# Altium PCB 10515.0462_全联供主板_V1.0.PcbDoc (part 3 of 5) (continued)
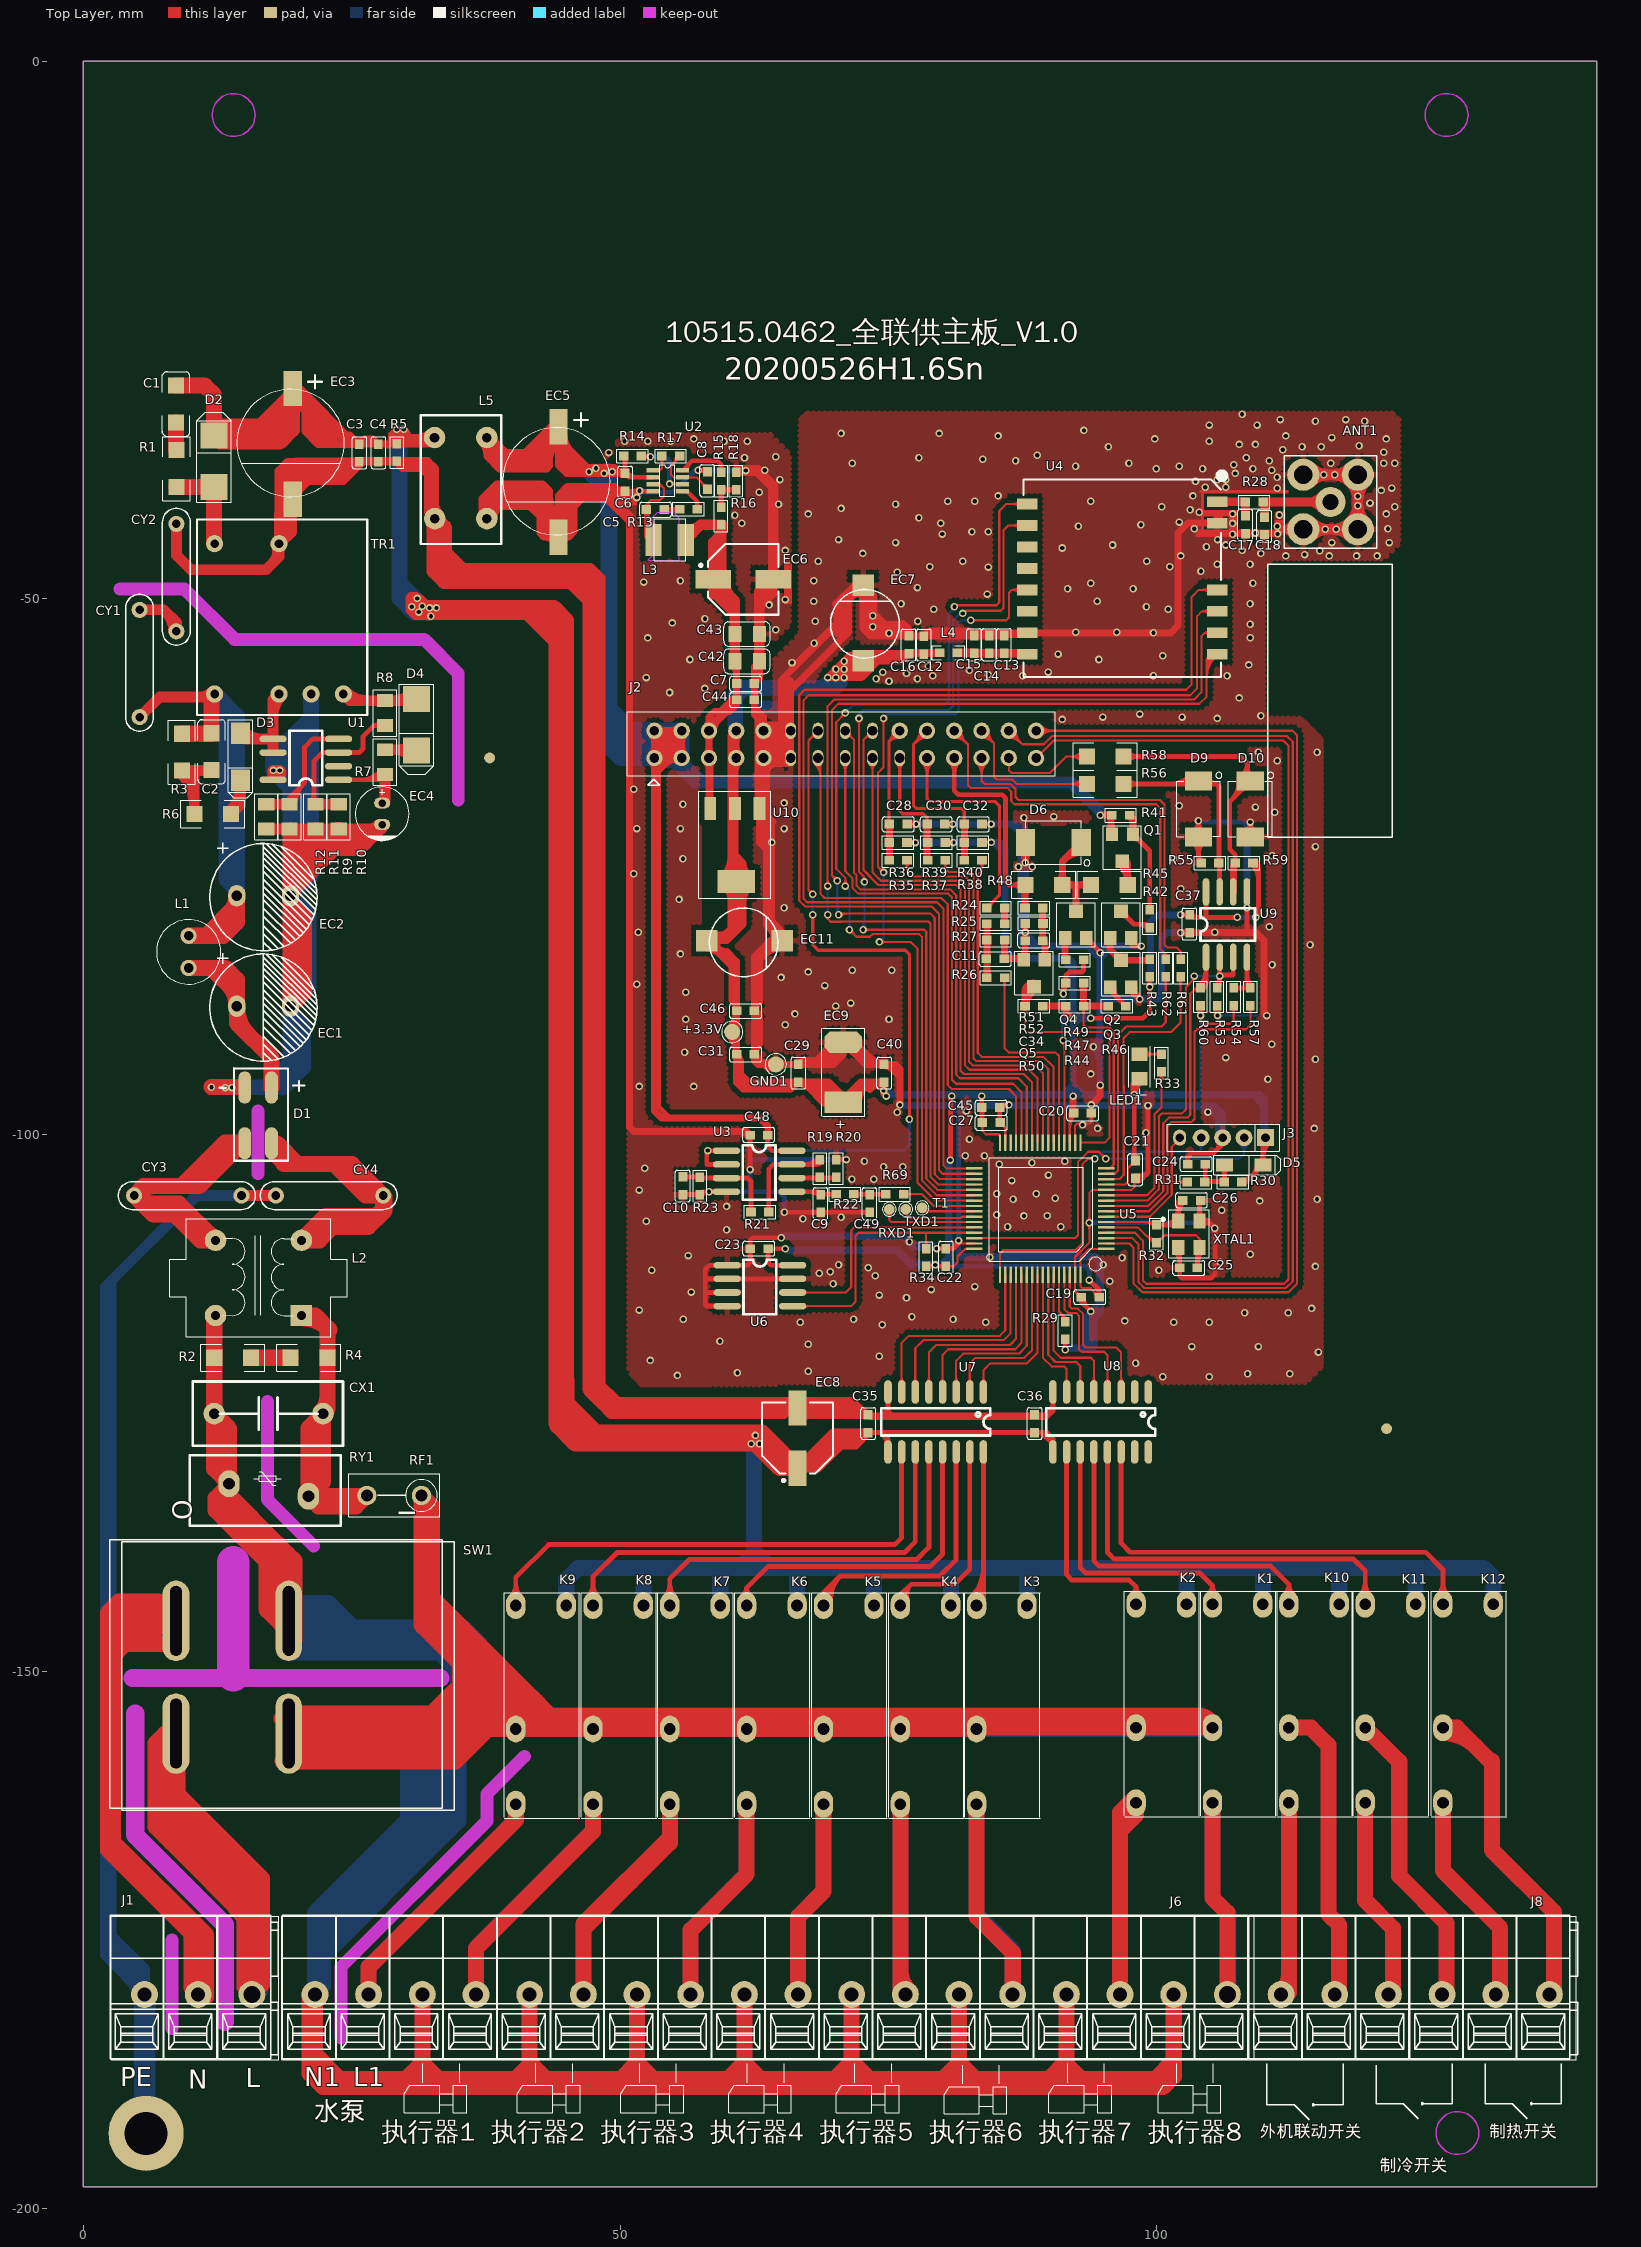
[diagram p0: Top Layer view]
## Nets (pads, with @x,y where several pads share a name; then routed paths per layer and width w, separated by ;. In a path a pad name is that pad's centre, name@x,y a point inside that pad or via, vN(x,y) a via of type N, cw(c..) or ccw(c..) an arc to the next point about the centre after c; other vN are vias at no path point) (continued)
  Top Layer w1: R18.2@60.964,-38.121 v1(61.722,-38.121) 62.782,-38.121 64.279,-39.618 EC6.2@64.279,-48.253 62.982,-49.55 62.982,-51.943 ; C42.1@62.982,-55.89 C43.1@62.982,-53.35 62.982,-51.943 ; 62.982,-50.298 cw(c65.523,-50.298) EC6.2@63.726,-48.501 ; 62.982,-49.642 cw(c64.194,-49.642) EC6.2@63.639,-48.564 ; 64.279,-49.386 62.982,-50.683 62.982,-51.943 ; ANT1.2@113.654,-43.595 ANT1.1@118.734,-43.595 ANT1.3@118.734,-38.515 ANT1.4@113.654,-38.515 ; ANT1.2@114.361,-44.302 cw(c116.068,-46.009) 116.068,-43.595 cw(c116.068,-41.181) ANT1.2@114.361,-42.888 ; ANT1.4@114.361,-39.222 cw(c116.068,-40.929) 116.068,-38.515 cw(c116.068,-36.101) ANT1.4@114.361,-37.808 ; ANT1.1@118.026,-44.302 ccw(c116.319,-46.009) 116.319,-43.595 ccw(c116.319,-41.181) 118.026,-42.888 ccw(c116.319,-41.181) 118.734,-41.181 ccw(c121.148,-41.181) ANT1.1@119.441,-42.888 ; ANT1.3@118.026,-37.808 cw(c116.319,-36.101) 116.319,-38.515 cw(c116.319,-40.929) 118.026,-39.222 cw(c116.319,-40.929) 118.734,-40.929 cw(c121.148,-40.929) ANT1.3@119.441,-39.222
  Bottom Layer w0.2: v1(105.664,-88.9) 107.95,-88.9 v1(110.236,-88.9) ; v1@105.841,-89.077 cw(c106.268,-89.504) 106.268,-88.9 cw(c106.268,-88.296) v1@105.841,-88.723 ; v1@110.059,-89.077 ccw(c109.632,-89.504) 109.632,-88.9 ccw(c109.632,-88.296) v1@110.059,-88.723
  Bottom Layer w0.45: v1(51.816,-40.005) 51.956,-40.145 54.931,-40.145 56.976,-38.1 v1(57.277,-38.1) ; v1@51.904,-39.917 ccw(c52.456,-39.365) 52.456,-40.145 ; 56.55,-38.526 cw(c57.277,-39.253) v1@57.277,-38.225 ; v1@57.315,-38.121 v1(61.722,-38.121) ; v1@57.365,-38.012 ccw(c57.63,-37.747) 57.63,-38.121 ; v1(58.293,-105.306) 64.793,-105.306 65.315,-105.828 v1(65.315,-107.225) ; 62.111,-105.306 v1(62.111,-103.243) 62.111,-102.481 62.282,-102.31 v1(71.068,-102.31) ; v1@65.151,-109.347 76.454,-109.347 77.343,-110.236 79.149,-110.236 v1(79.516,-110.603) 77.329,-110.603 76.327,-109.601 v1(65.024,-109.601) 65.278,-109.347 ; 78.328,-110.236 cw(c78.328,-111.791) v1@79.428,-110.691 ; 80.645,-97.268 80.771,-97.268 81.547,-98.044 ; 81.547,-97.268 81.547,-98.044 ; 82.296,-111.519 82.035,-111.258 ; 82.296,-97.395 81.647,-98.044 81.547,-98.044 ; 83.782,-111.258 cw(c83.782,-112.062) v1@84.35,-111.494 ; 83.863,-111.519 ccw(c83.863,-110.829) v1@84.35,-111.317 ; v1@84.527,-111.494 cw(c85.095,-112.062) 85.095,-111.258 ; v1@84.527,-111.317 ccw(c85.015,-110.829) 85.015,-111.519 ; 87.062,-111.519 81.801,-111.519 81.547,-111.265 81.547,-110.49 ; 87.075,-111.506 94.107,-111.506 94.623,-112.022 94.623,-116.197 ; v1@91.562,-120.115 cw(c92.416,-120.969) 92.416,-119.761 ; 93.472,-117.681 cw(c95.075,-117.681) v1@93.941,-116.547 ; 93.472,-116.998 cw(c93.887,-116.998) v1@93.861,-116.584 ; v1(93.726,-108.204) 104.902,-108.204 v1(105.41,-108.712) ; v1@93.731,-116.76 ccw(c93.874,-116.407) 94.143,-116.677 ; v1@93.9,-116.343 ccw(c94.151,-115.724) 94.623,-116.197 ; 94.234,-117.221 94.869,-116.586 94.869,-111.76 94.367,-111.258 82.035,-111.258 ; 94.501,-111.9 94.501,-115.811 v1(93.853,-116.459) ; v1@103.974,-70.651 ccw(c104.494,-70.131) 104.494,-70.866 ; v1@104.013,-70.866 v1(108.712,-70.866) ; 81.547,-110.49 81.547,-110.77 82.035,-111.258 ; 81.547,-110.49 81.547,-98.044 ; 93.334,-120.026 93.969,-120.026 94.234,-119.761 94.234,-116.967 94.623,-116.578 94.623,-116.197 ; 93.334,-120.026 93.853,-119.507 v1(93.853,-116.459) ; 93.334,-120.026 v1(91.474,-120.026) 91.739,-119.761 93.091,-119.761 93.472,-119.38 93.472,-116.84 v1(93.853,-116.459) ; v1(93.853,-116.459) 94.361,-116.459 94.623,-116.197
  Bottom Layer w0.65: J2.10@63.362,-62.368 63.362,-60.59 63.373,-60.579 ; v1(76.073,-97.223) 76.118,-97.268 81.547,-97.268 104.648,-97.268 ; v1(77.581,-71.054) v1(81.01,-71.054) v1(84.566,-71.054) 86.487,-71.054 ; 87.376,-82.121 cw(c88.719,-82.121) v1@87.769,-81.171 ; 87.376,-80.185 ccw(c88.719,-80.185) v1@87.769,-81.135 ; 87.376,-75.666 cw(c88.761,-75.666) v1@87.782,-74.687 ; 87.376,-73.672 ccw(c88.761,-73.672) v1@87.782,-74.651 ; v1(87.752,-81.153) 87.752,-81.275 88.9,-82.423 ; 93.168,-82.423 cw(c93.168,-84.604) v1@94.71,-83.062 ; 93.585,-82.423 94.728,-83.566 ; 93.846,-82.684 ccw(c94.66,-81.871) v1@94.727,-83.019 ; v1@94.089,-91.813 cw(c92.547,-93.355) 94.728,-93.355 ; v1@94.089,-91.777 ccw(c92.547,-90.235) 94.728,-90.235 ; v1(94.728,-95.377) 94.728,-87.376 ; 94.728,-88.392 94.728,-88.279 95.631,-87.376 ; 94.728,-86.487 95.617,-87.376 95.631,-87.376 ; v1@94.728,-83.019 ccw(c94.728,-81.698) 95.662,-82.632 ; 94.728,-82.564 v1(94.728,-83.044) 94.728,-83.566 ; v1@94.746,-83.062 cw(c96.288,-84.604) 96.288,-82.423 ; 95.871,-82.423 94.728,-83.566 ; v1(98.552,-82.423) 88.26,-82.423 ; v1(102.235,-81.17) 100.948,-81.17 100.457,-81.661 100.457,-87.122 100.203,-87.376 v1(98.425,-87.376) 95.631,-87.376 ; 103.211,-97.268 cw(c103.211,-99.455) v1@104.757,-97.909 ; v1@104.775,-97.916 cw(c104.775,-99.666) 106.012,-98.429 ; J3.3@105.773,-99.908 105.773,-98.189 ; 105.773,-98.279 ccw(c108.128,-98.279) 106.463,-99.944 cw(c107.252,-99.155) 106.136,-99.155 cw(c105.02,-99.155) J3.3@105.809,-99.944 ; J3.3@106.136,-100.271 106.136,-98.008 105.396,-97.268 104.648,-97.268 ; 106.136,-98.552 105.773,-98.189 ; v1(108.4,-78.867) 108.4,-75.819 108.4,-71.178 v1(108.712,-70.866) ; 108.4,-71.679 cw(c109.525,-71.679) v1@108.73,-70.884 ; 86.487,-71.054 87.376,-71.943 87.376,-82.169 87.63,-82.423 88.26,-82.423 ; 86.487,-71.054 87.31,-71.054 87.764,-71.508 v1(87.764,-74.669) 87.764,-81.927 88.26,-82.423 ; 94.728,-87.376 94.728,-83.566 ; 94.728,-87.376 95.631,-87.376 ; 104.648,-97.268 104.852,-97.268 105.773,-98.189
  other v1: 100.564,-122.555 104.902,-122.555 55.352,-122.428 108.458,-122.275 112.395,-122.275 60.94,-122.174 67.544,-122.047 98.024,-121.285 52.812,-121.031 74.148,-120.65 115.062,-120.243 103.251,-119.735 109.474,-119.735 67.544,-119.507 59.309,-119.227 74.422,-117.703 66.802,-117.475 84.074,-117.475 101.58,-117.475 104.902,-117.475 97.008,-117.348 55.88,-117.195 71.755,-117.195 81.026,-117.195 77.196,-116.967 108.184,-116.586 112.248,-116.586 51.796,-116.332 114.427,-116.179 76.688,-115.189 74.148,-114.935 56.642,-114.655 78.994,-114.427 83.058,-114.147 69.85,-113.893 95.631,-113.639 73.787,-113.131 68.56,-112.903 69.576,-112.776 52.959,-112.623 100.203,-112.623 73.132,-112.395 114.788,-112.268 70.358,-112.115 94.996,-112.115 105.918,-111.887 96.772,-111.448 84.439,-111.405 56.368,-111.252 108.712,-111.125 76.962,-109.982 81.534,-109.855 59.924,-108.839 86.106,-108.559 91.059,-108.559 52.451,-108.051 67.036,-107.823 70.592,-107.696 87.63,-107.569 89.789,-107.543 85.09,-107.442 106.045,-107.035 59.924,-106.68 109.601,-106.172 86.614,-106.019 114.935,-106.019 90.551,-105.918 85.09,-105.511 88.773,-105.511 51.796,-105.156 86.487,-104.267 71.608,-104.14 73.64,-104.14 89.916,-103.759 52.304,-103.124 74.549,-102.971 76.327,-102.971 85.324,-102.743 88.372,-102.616 72.771,-102.463 91.44,-102.463 82.169,-101.955 83.947,-101.955 82.55,-100.431 98.999,-99.822 94.488,-99.415 114.681,-99.415 93.091,-99.089 75.819,-97.917 104.775,-97.891 82.276,-97.79 51.796,-95.504 56.876,-95.504 110.363,-94.843 93.853,-94.335 114.788,-92.964 106.426,-92.811 56.007,-92.303 94.107,-91.795 110.724,-91.567 65.405,-89.763 56.134,-89.255 75.057,-89.255 66.294,-88.747 70.084,-88.011 71.501,-87.731 56.134,-86.715 69.068,-86.106 51.562,-85.979 65.004,-85.344 67.544,-84.836 71.628,-84.683 75.311,-84.683 110.744,-84.175 55.626,-83.159 114.28,-82.296 51.689,-81.127 105.41,-81.127 110.49,-80.619 65.278,-78.867 55.499,-78.079 102.235,-77.063 51.288,-75.692 87.122,-75.031 88.392,-75.031 55.86,-74.295 101.58,-74.295 110.744,-74.015 114.788,-73.152 64.135,-72.771 51.562,-71.475 55.626,-71.475 65.278,-71.475 87.63,-70.459 90.404,-70.358 110.998,-69.951 109.2,-69.469 102.088,-69.342 55.86,-69.215 65.278,-69.088 51.288,-67.818 111.232,-65.151 109.474,-64.363 114.935,-64.363 91.186,-61.315 105.644,-61.214 94.976,-61.087 102.362,-61.087 109.708,-60.96 98.425,-60.809 107.676,-59.309 54.61,-58.801 57.892,-58.42 75.057,-57.743 73.848,-57.528 77.704,-57.531 52.451,-57.404 79.121,-57.251 87.503,-57.251 99.695,-57.251 106.553,-57.251 84.308,-57.15 76.688,-57.023 74.467,-56.909 89.896,-56.896 82.55,-56.743 78.72,-56.368 108.585,-56.235 66.02,-56.007 56.515,-55.727 94.615,-55.727 100.564,-55.372 90.805,-55.219 68.072,-54.203 52.578,-53.721 108.712,-53.695 75.057,-53.276 99.695,-53.243 92.456,-53.187 96.266,-53.187 64.496,-52.959 73.533,-52.679 108.692,-52.451 54.864,-52.324 68.199,-52.171 77.724,-52.171 57.912,-51.943 73.533,-51.663 79.228,-51.054 101.072,-51.054 99.04,-50.8 63.881,-50.647 76.18,-50.546 108.692,-50.546 68.052,-50.292 94.468,-50.292 65.405,-50.139 84.201,-49.631 91.694,-49.123 97.79,-49.123 77.704,-49.022 93.853,-48.615 108.966,-48.615 52.197,-48.514 55.626,-48.387 68.052,-48.387 75.819,-47.599 104.12,-47.498 84.308,-47.117 78.867,-47.091 101.219,-47.091 105.644,-46.863 108.692,-46.863 68.453,-46.583 81.915,-46.583 99.06,-46.583 102.235,-46.075 112.014,-46.075 116.078,-46.075 118.618,-46.075 120.523,-46.075 113.772,-45.946 72.624,-45.847 109.708,-45.847 115.189,-45.593 65.405,-45.567 107.95,-45.567 91.186,-45.339 104.628,-45.212 95.885,-45.059 106.426,-45.059 75.672,-44.831 111.232,-44.831 116.312,-44.831 121.666,-44.831 70.358,-44.551 105.664,-44.551 107.061,-44.069 80.01,-44.043 111.252,-44.03 109.2,-43.942 82.784,-43.815 84.308,-43.815 115.697,-43.595 116.713,-43.595 103.505,-43.535 121.539,-43.535 92.71,-43.307 111.232,-43.307 98.532,-43.18 107.061,-43.053 61.341,-43.027 79.883,-43.027 102.088,-42.926 77.851,-42.519 60.706,-42.291 111.435,-42.265 67.544,-42.164 107.061,-42.164 121.392,-42.164 103.97,-42.011 103.104,-41.783 70.592,-41.656 100.457,-41.503 122.174,-41.503 118.734,-41.402 64.77,-41.275 75.672,-41.275 119.868,-41.148 80.518,-40.995 83.058,-40.995 93.853,-40.995 51.565,-40.635 118.734,-40.513 85.217,-40.487 103.378,-40.487 62.972,-40.132 120.904,-39.979 111.232,-39.782 121.9,-39.751 104.521,-39.669 106.426,-39.669 103.612,-39.116 105.644,-38.989 64.897,-38.963 106.426,-38.963 111.206,-38.735 115.57,-38.515 116.586,-38.515 107.315,-38.397 63.48,-38.1 110.724,-38.1 99.949,-37.947 104.267,-37.947 108.966,-37.947 92.436,-37.719 102.088,-37.719 107.168,-37.592 71.628,-37.439 97.409,-37.439 116.205,-37.439 121.158,-37.439 122.174,-37.439 86.848,-37.211 110.49,-37.211 83.8,-37.084 61.595,-36.931 77.851,-36.931 108.331,-36.931 64.496,-36.83 88.88,-36.703 48.939,-36.449 121.158,-36.423 111.74,-36.195 95.504,-35.915 113.538,-35.915 115.316,-35.915 118.852,-35.814 107.676,-35.687 109.2,-35.687 50.419,-35.407 52.578,-35.407 54.737,-35.407 59.69,-35.407 61.849,-35.407 104.902,-35.407 56.876,-35.179 99.822,-35.179 121.392,-35.179 116.312,-35.052 85.217,-34.899 112.014,-34.899 70.592,-34.671 79.736,-34.671 93.218,-34.391 104.902,-33.883 109.347,-33.883 114.788,-33.528 119.36,-33.528 111.506,-33.375 117.602,-33.375 107.95,-32.867
GND1: C3.2 C4.2 C35.1 C36.1 CY2.2 EC3.2 EC8.2 L5.2 R5.1 TR1.8 U7.8 U8.8 | length 457.6
  Top Layer w0.45: C35.1@73.237,-126.225 cw(c73.547,-126.535) 73.547,-126.097 cw(c73.547,-125.659) C35.1@73.237,-125.969 ; U7.8@74.964,-123.963 74.964,-125.349 ; 75.311,-126.097 74.964,-125.75 74.964,-125.349 ; C36.1@88.475,-126.225 ccw(c88.165,-126.535) 88.165,-126.097 ccw(c88.165,-125.659) C36.1@88.475,-125.969 ; C36.1@88.731,-126.225 cw(c89.041,-126.535) 89.041,-126.097 cw(c89.041,-125.659) C36.1@88.731,-125.969 ; 90.331,-125.349 89.583,-126.097 89.408,-126.097 ; U8.8@90.331,-124.09 90.331,-125.741 ; 74.481,-126.097 C36.1@88.603,-126.097 ; 74.481,-126.097 C35.1@73.109,-126.097 73.377,-126.365 87.63,-126.365 ; 74.481,-126.097 74.964,-125.614 74.964,-125.349 ; 87.63,-126.365 88.335,-126.365 C36.1@88.603,-126.097 ; 87.63,-126.365 89.707,-126.365 90.331,-125.741 ; C36.1@88.603,-126.097 89.408,-126.097 ; 89.408,-126.097 89.975,-126.097 90.331,-125.741
  Top Layer w0.65: EC3.2@19.511,-40.78 19.511,-40.624 20.987,-39.148 ; 19.685,-38.862 21.234,-37.313 C3.2@25.704,-37.313 25.171,-37.846 21.463,-37.846 21.082,-38.227 ; 20.193,-39.116 20.764,-38.544 ; 24.312,-37.846 ccw(c24.312,-35.958) C3.2@25.646,-37.293 ; C3.2@25.781,-37.592 24.828,-38.544 ; 20.764,-38.544 21.082,-38.227 ; 20.764,-38.544 21.59,-38.544 ; 20.987,-39.148 21.59,-38.544 ; 20.987,-39.148 24.225,-39.148 24.828,-38.544 ; 21.082,-38.227 24.511,-38.227 24.828,-38.544 ; 21.59,-38.544 24.828,-38.544
  Top Layer w0.8: 18.226,-41.656 19.102,-40.78 EC3.2@19.511,-40.78 ; TR1.8@18.415,-44.958 19.511,-43.862 EC3.2@19.511,-41.796 ; 19.812,-38.227 18.226,-39.813 18.226,-40.259 ; C3.2@25.704,-37.313 20.726,-37.313 ; C3.2@25.742,-37.274 R5.1@29.21,-37.274 ; R5.1@29.215,-37.308 ccw(c30.513,-36.009) 30.513,-37.846 ; L5.2@32.131,-41.991 32.131,-38.481 31.496,-37.846 31.242,-37.846 ; 32.131,-41.61 ccw(c33.734,-41.61) L5.2@32.601,-42.743 ; 32.131,-39.678 ccw(c35.666,-39.678) 33.166,-42.178 cw(c34.191,-41.153) 32.742,-41.153 cw(c31.293,-41.153) L5.2@32.318,-42.178 ; L5.2@32.742,-42.602 32.742,-37.949 32.067,-37.274 R5.1@29.21,-37.274 ; 32.742,-38.354 32.234,-37.846 31.242,-37.846 ; 33.591,-45.593 35.115,-47.117 43.053,-47.117 ; 42.545,-47.625 43.053,-47.117 ; 48.183,-125.145 49.135,-126.097 50.8,-126.097 ; 48.641,-124.587 50.151,-126.097 50.8,-126.097 ; 49.085,-125.031 49.292,-124.825 EC8.2@66.544,-124.825 ; 49.276,-124.319 51.054,-126.097 50.8,-126.097 ; 49.553,-124.596 48.26,-123.303 48.26,-48.133 47.244,-47.117 43.053,-47.117 ; 50.433,-125.476 72.263,-125.476 C35.1@72.884,-126.097 ; 72.517,-125.73 71.612,-124.825 EC8.2@66.544,-124.825 ; 72.649,-125.862 ccw(c73.109,-125.402) C35.1@73.109,-126.053 ; C35.1@73.109,-126.097 C35.1@72.884,-126.097 ; 18.226,-44.069 TR1.8@18.226,-44.939 18.161,-44.875 18.161,-42.13 EC3.2@19.511,-40.78 ; 18.226,-44.069 18.226,-43.081 ; 18.226,-44.069 19.511,-42.784 EC3.2@19.511,-40.78 ; 18.226,-43.081 EC3.2@19.511,-41.796 ; 18.226,-43.081 18.226,-40.259 ; 18.226,-40.259 18.226,-38.924 ; 18.226,-38.924 19.837,-37.313 ; 18.226,-38.924 18.226,-38.162 19.05,-37.338 19.812,-37.338 19.837,-37.313 ; EC3.2@19.511,-41.796 19.511,-38.528 20.726,-37.313 ; 19.837,-37.313 20.726,-37.313 ; R5.1@29.21,-37.274 29.21,-37.338 29.718,-37.846 31.242,-37.846 ; 50.8,-126.097 65.272,-126.097 EC8.2@66.544,-124.825 ; EC8.2@66.544,-124.825 66.544,-125.218 67.437,-126.111 67.451,-126.097 C35.1@72.884,-126.097
  Top Layer w1: CY2.2@8.67,-43.097 8.67,-46.008 10.033,-47.371 17.018,-47.371 18.226,-46.163 TR1.8@18.226,-45.212 ; 17.63,-46.759 ccw(c16.545,-45.674) TR1.8@17.951,-45.06
  Top Layer w1.5: L5.2@32.565,-42.779 cw(c30.088,-45.256) 33.591,-45.256 ; 34.925,-48.387 33.591,-47.053 ; 49.276,-125.73 47.244,-123.698 47.244,-50.165 ; 32.742,-45.466 32.742,-46.204 33.591,-47.053 ; 32.742,-45.466 L5.2@32.742,-42.602 33.591,-43.452 33.591,-45.593 ; 32.742,-45.466 32.742,-47.474 33.655,-48.387 45.466,-48.387 47.244,-50.165 ; 33.591,-47.053 33.591,-45.593 ; 33.591,-45.593 33.591,-45.783 35.433,-47.625 46.355,-47.625 47.244,-48.514 47.244,-50.165
L_LINE: K1.2 K2.2 K3.2 K4.2 K5.2 K6.2 K7.2 K8.2 K9.2 RF1.2 SW1.4 | length 569.2
  Top Layer w1.5: SW1.4@18.478,-154.368 18.986,-154.876 28.892,-154.876 ; SW1.4@18.542,-158.369 31.286,-158.369 ; SW1.4@18.755,-154.727 18.755,-155.153 19.39,-155.788 30.565,-155.788 33.423,-152.93 ; SW1.4@18.882,-154.727 SW1.4@19.685,-153.924 ; SW1.4@18.923,-153.924 32.429,-153.924 ; SW1.4@19.431,-157.099 31.203,-157.099 35.687,-152.615 ; 28.194,-155.788 28.194,-155.575 ; 29.759,-155.788 31.496,-154.051 ; 30.67,-154.876 28.892,-154.876 ; 30.778,-155.575 28.194,-155.575 ; 31.496,-138.938 RF1.2@31.496,-133.604 ; 32.501,-144.018 32.501,-143.129 ; 34.058,-153.057 34.652,-153.651 ; 34.544,-148.59 33.909,-147.955 ; 34.627,-151.892 34.544,-151.809 33.423,-152.93 ; 34.715,-153.079 42.164,-153.079 ; 36.278,-155.365 42.672,-155.365 ; 36.576,-153.079 31.286,-158.369 ; 37.195,-151.368 35.074,-151.368 ; 37.592,-153.079 37.592,-154.051 33.274,-158.369 32.385,-158.369 ; 37.719,-151.892 35.687,-149.86 ; 39.105,-154.178 104.129,-154.178 ; K9.2@40.292,-155.365 42.672,-155.365 ; K9.2@40.386,-154.94 K9.2@40.386,-154.813 ; 40.386,-152.654 34.671,-158.369 32.385,-158.369 ; K9.2@40.398,-155.121 cw(c42.675,-157.398) 42.675,-154.178 ; 40.684,-153.079 35.687,-148.082 ; 40.909,-154.178 cw(c40.909,-154.901) 41.619,-154.769 ; 42.451,-155.365 42.672,-155.365 ; 42.451,-153.079 40.825,-151.453 ; 44.323,-155.365 44.323,-154.951 40.825,-151.453 ; 45.094,-154.178 cw(c45.094,-157.398) K8.2@47.371,-155.121 ; K8.2@47.583,-155.121 cw(c49.86,-157.398) 49.86,-154.178 ; 52.254,-154.178 cw(c52.254,-157.398) K7.2@54.531,-155.121 ; K7.2@54.743,-155.121 cw(c57.02,-157.398) 57.02,-154.178 ; 59.414,-154.178 cw(c59.414,-157.398) K6.2@61.69,-155.121 ; K6.2@61.902,-155.121 cw(c64.179,-157.398) 64.179,-154.178 ; 66.573,-154.178 cw(c66.573,-157.398) K5.2@68.85,-155.121 ; K5.2@69.062,-155.121 cw(c71.339,-157.398) 71.339,-154.178 ; 73.733,-154.178 cw(c73.733,-157.398) K4.2@76.01,-155.121 ; K4.2@76.222,-155.121 cw(c78.498,-157.398) 78.498,-154.178 ; 80.835,-154.178 cw(c80.835,-157.398) K3.2@83.112,-155.121 ; K3.2@83.324,-155.121 cw(c85.601,-157.398) 85.601,-154.178 ; 96.001,-154.178 cw(c96.001,-156.964) K2.2@97.971,-154.994 ; K2.2@98.183,-154.994 cw(c100.153,-156.964) 100.153,-154.178 ; 103.113,-154.178 cw(c103.113,-156.964) K1.2@105.083,-154.994 ; 104.335,-154.384 ccw(c105.189,-153.531) K1.2@105.189,-154.738 ; K1.2@105.042,-154.919 ccw(c104.129,-155.111) 104.129,-154.178 ; 28.194,-155.575 28.892,-154.876 ; 31.286,-158.369 32.385,-158.369 ; 31.496,-145.669 35.687,-149.86 ; 31.496,-145.669 31.496,-143.891 ; 31.496,-145.669 31.623,-145.796 31.75,-145.796 33.909,-147.955 ; 31.496,-145.669 31.496,-142.412 ; 31.496,-143.891 31.496,-142.412 ; 31.496,-143.891 35.687,-148.082 ; 31.496,-142.412 RF1.2@31.496,-133.604 ; RF1.2@31.496,-133.604 32.501,-134.609 32.501,-143.129 ; 32.501,-143.129 40.825,-151.453 ; 33.423,-152.93 33.512,-152.93 35.074,-151.368 ; 33.909,-147.955 35.074,-149.12 35.074,-151.368 ; 35.687,-152.615 38.382,-152.615 39.105,-151.892 36.946,-149.733 35.687,-149.733 ; 35.687,-152.615 35.687,-149.733 ; 35.687,-149.86 35.687,-149.733 ; 35.687,-149.733 35.687,-148.082 ; 42.672,-155.365 K8.2@47.477,-155.365 K7.2@54.637,-155.365 K6.2@61.796,-155.365 K5.2@68.956,-155.365 K4.2@76.116,-155.365 K3.2@83.218,-155.365 83.345,-155.238 K2.2@98.077,-155.238 K1.2@105.189,-155.238 104.129,-154.178
  Bottom Layer w1.5: K9.2@40.259,-154.813 41.021,-154.051 104.002,-154.051 K1.2@105.189,-155.238 ; K9.2@40.292,-155.365 105.366,-155.365 K1.2@105.41,-155.321 ; K9.2@40.398,-155.121 cw(c42.675,-157.398) 42.675,-154.178 ; 41.233,-154.178 cw(c41.233,-154.408) 41.426,-154.283 ; 45.094,-154.178 cw(c45.094,-157.398) K8.2@47.371,-155.121 ; K8.2@47.583,-155.121 cw(c49.86,-157.398) 49.86,-154.178 ; 52.254,-154.178 cw(c52.254,-157.398) K7.2@54.531,-155.121 ; K7.2@54.743,-155.121 cw(c57.02,-157.398) 57.02,-154.178 ; 59.414,-154.178 cw(c59.414,-157.398) K6.2@61.69,-155.121 ; K6.2@61.902,-155.121 cw(c64.179,-157.398) 64.179,-154.178 ; 66.573,-154.178 cw(c66.573,-157.398) K5.2@68.85,-155.121 ; K5.2@69.062,-155.121 cw(c71.339,-157.398) 71.339,-154.178 ; 73.733,-154.178 cw(c73.733,-157.398) K4.2@76.01,-155.121 ; K4.2@76.222,-155.121 cw(c78.498,-157.398) 78.498,-154.178 ; 80.835,-154.178 cw(c80.835,-157.398) K3.2@83.112,-155.121 ; K3.2@83.324,-155.121 cw(c85.601,-157.398) 85.601,-154.178 ; 96.001,-154.178 cw(c96.001,-156.964) K2.2@97.971,-154.994 ; K2.2@98.183,-154.994 cw(c100.153,-156.964) 100.153,-154.178 ; 103.113,-154.178 cw(c103.113,-156.964) K1.2@105.083,-154.994 ; 104.129,-154.178 cw(c104.129,-155.111) K1.2@105.042,-154.919 ; 104.335,-154.384 ccw(c105.189,-153.531) K1.2@105.189,-154.738
LINE: J1.1 SW1.@8.636,-155.788 | length 221.2
  Top Layer w1.5: SW1.@7.62,-157.226 8.763,-158.369 8.763,-161.417 ; 8.763,-163.322 9.271,-163.322 16.637,-170.688 ; 14.16,-171.894 14.16,-172.026 15.012,-172.877 15.012,-179.408 J1.1@15.702,-180.097 ; 8.191,-165.925 7.62,-165.354 7.62,-155.788 6.731,-156.677 6.731,-164.465 8.191,-165.925 ; 8.191,-165.925 15.702,-173.436 J1.1@15.702,-180.097 ; 8.763,-161.417 8.763,-164.592 15.702,-171.531 J1.1@15.702,-180.097 ; 8.763,-161.417 16.637,-169.291 16.637,-170.688 ; J1.1@15.702,-180.097 16.637,-179.162 16.637,-170.688
  Bottom Layer w1.5: 7.62,-161.798 15.702,-169.88 J1.1@15.702,-180.097 ; SW1.@7.62,-157.353 8.763,-158.496 8.763,-164.719 15.702,-171.658 ; SW1.@7.62,-156.591 6.858,-157.353 ; SW1.@8.636,-155.788 8.423,-155.788 6.858,-157.353 ; 8.763,-161.544 8.89,-161.544 16.51,-169.164 16.51,-179.705 16.118,-180.097 J1.1@15.702,-180.097 ; 15.012,-169.19 15.012,-179.408 J1.1@15.702,-180.097 ; 6.858,-157.353 6.858,-156.55 7.62,-155.788 7.62,-165.227 ; 6.858,-157.353 6.858,-164.465 7.62,-165.227 ; 7.62,-165.227 15.702,-173.309 J1.1@15.702,-180.097
LINKAGE_COOLA: J8.3 K11.2 | length 29.1
  Top Layer w1.5: K11.2@119.42,-155.738 cw(c119.42,-156.945) 120.273,-156.092 ; K11.2@119.42,-155.238 122.589,-158.407 122.589,-169.048 126.994,-173.453 J8.3@126.994,-180.224
LINKAGE_COOLB: J8.4 K11.1 | length 19.2
  Top Layer w1.5: K11.1@119.42,-162.052 119.42,-171.34 121.994,-173.914 J8.4@121.994,-180.224
LINKAGE_WARMA: J8.1 K12.2 | length 35.8
  Top Layer w1.5: K12.2@126.659,-155.738 cw(c126.659,-160.075) 129.726,-157.008 ; K12.2@126.659,-155.238 127.955,-155.238 131.225,-158.507 ; K12.2@126.725,-155.723 cw(c127.516,-157.324) 128.779,-156.061 ; 131.225,-158.369 131.225,-166.635 136.994,-172.404 J8.1@136.994,-180.224
LINKAGE_WARMB: J8.2 K12.1 | length 20.5
  Top Layer w1.5: K12.1@126.659,-161.925 126.659,-168.546 131.994,-173.881 J8.2@131.994,-180.224
M24512_SCL: U5.44 U6.6 | length 24.5
  Top Layer w0.2: U6.6@66.081,-114.697 71.023,-114.697 71.535,-114.184 71.535,-111.506 ; U6.6@67.191,-114.841 cw(c67.54,-115.191) 67.54,-114.697 cw(c67.54,-114.202) U6.6@67.191,-114.552 ; 71.535,-110.247 71.535,-111.506 ; U5.44@82.993,-108.634 71.833,-108.634 71.535,-108.932 71.535,-111.506
M24512_SDA: R34.2 U5.45 U6.5 | length 26.7
  Top Layer w0.2: U6.5@66.081,-115.967 71.531,-115.967 71.935,-115.562 71.935,-109.421 72.222,-109.134 78.52,-109.134 ; U6.5@67.191,-116.111 cw(c67.54,-116.461) 67.54,-115.967 cw(c67.54,-115.472) U6.5@67.191,-115.822 ; R34.2@78.303,-110.351 ccw(c77.78,-109.828) 78.52,-109.828 ccw(c79.26,-109.828) R34.2@78.737,-110.351 ; R34.2@78.52,-110.605 78.52,-109.134 ; U5.45@82.993,-109.134 78.52,-109.134